# Allegro board GPS_INTERFACE_BOARDv34_test.brd (continued)
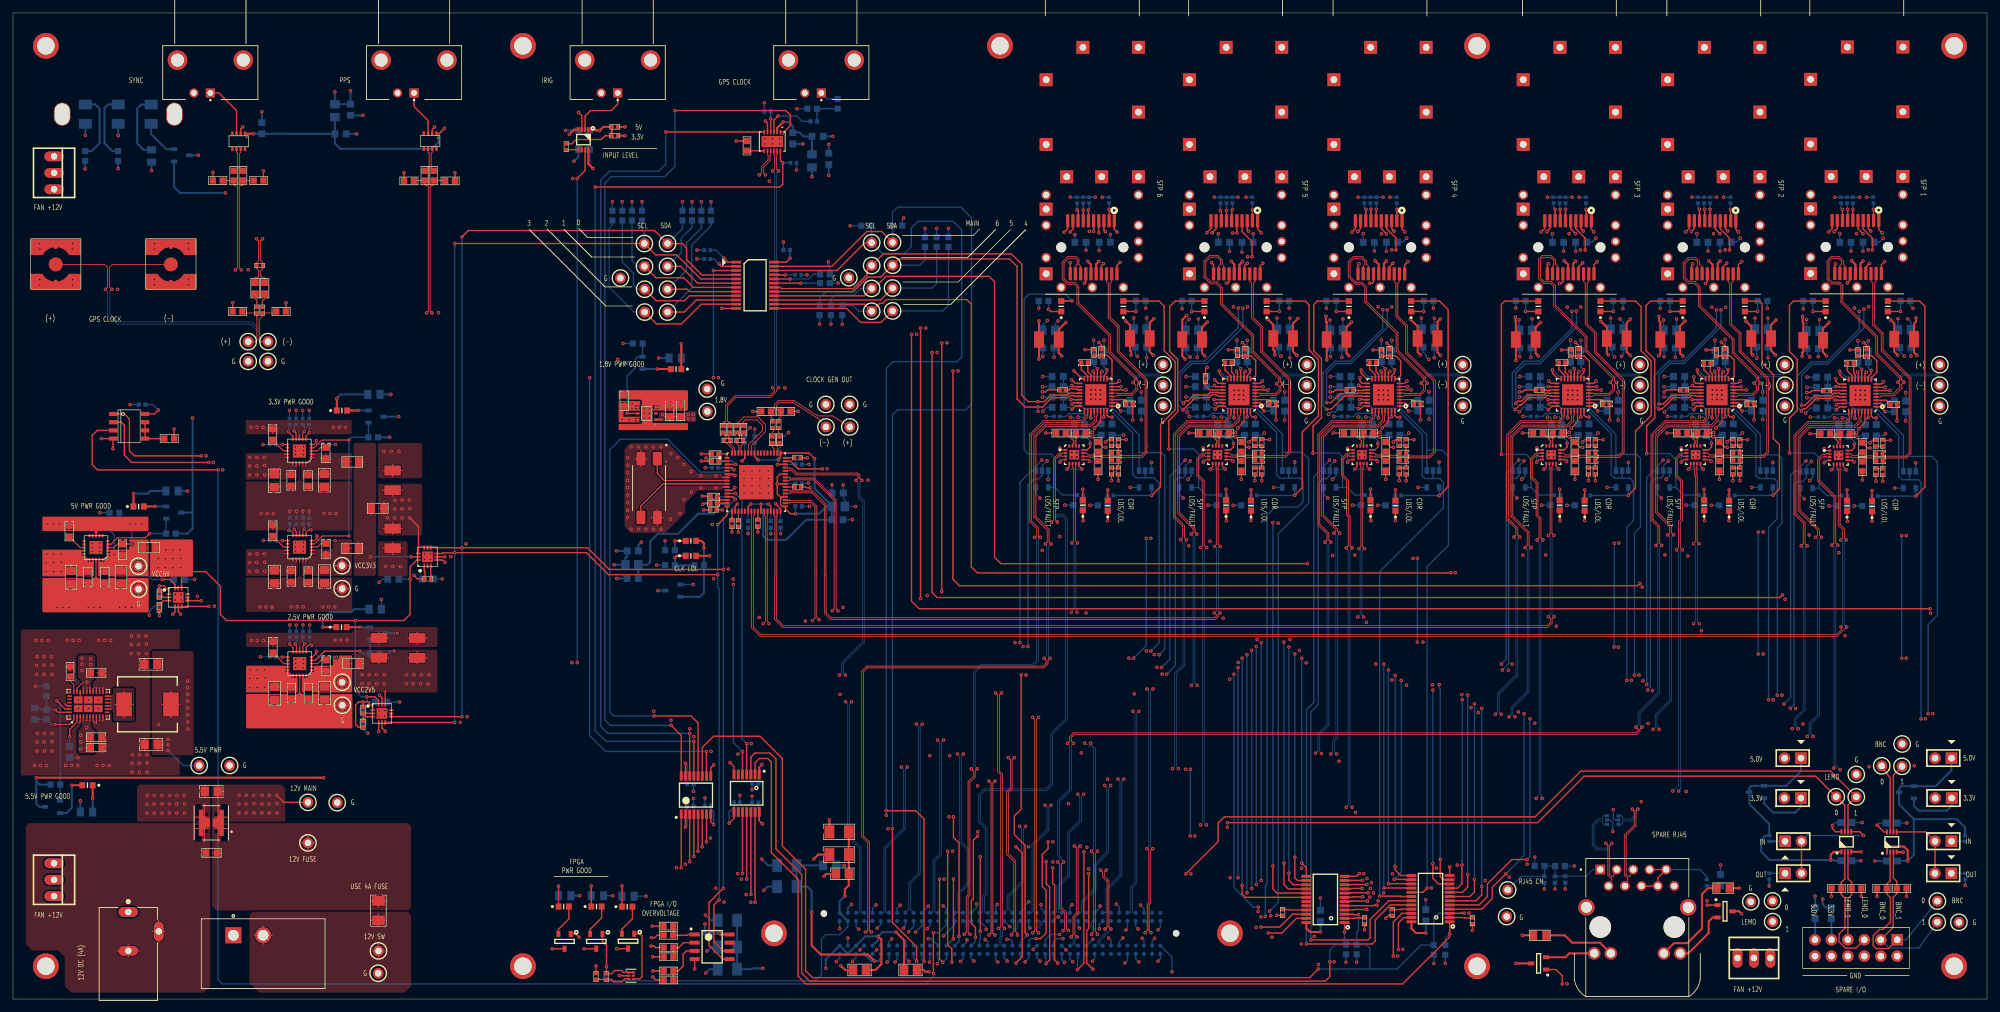
[diagram p0: board, top side]
## Routing (per net, layer and track width the routed paths; a pad name or vN(x,y) marks a point on that pad's centre or on a via; arc(x,y) is an arc through that point) (continued)
  GND3 w0.165: J19.S3 218.2,120.49 ; J19.S3 217.29,119.58 ; J19.S3 218.2,118.67 ; J19.S3 219.11,119.58 ; 255.49,118.67 J14.S9 ; J14.S9 254.58,119.58 ; J14.S9 255.49,120.49 ; J14.S9 256.39,119.58 ; 258.65,12.74 J17.S2 ; J17.S2 257.22,14.17 ; J17.S2 260.09,14.17 ; J17.S2 258.65,15.61 ; J20.S20 181.65,113.26 ; J20.S20 181.65,110.9 ; J20.S20 180.47,112.08 ; J20.S20 182.83,112.08 ; 235.18,127.08 J18.S16 ; J18.S16 237.54,127.08 ; J18.S16 236.36,125.9 ; J18.S16 236.36,128.26 ; J19.S4 218.2,125.19 ; J19.S4 217.29,124.28 ; J19.S4 218.2,123.37 ; J19.S4 219.11,124.28 ; 158.62,124.28 J21.S10 ; J21.S10 160.43,124.28 ; J21.S10 159.52,123.37 ; J21.S10 159.52,125.19 ; U54.1 187.91,12.56 ; U54.1 185.51,10.16 ; U54.1 187.91,7.76 ; U54.1 190.31,10.16 ; 276.38,122.13 J13.S19 ; J13.S19 277.56,120.95 ; J13.S19 278.74,122.13 ; J13.S19 277.56,123.31 ; 297.32,147.32 U57.1 ; U57.1 302.12,147.32 ; U57.1 299.72,144.92 ; U57.1 299.72,149.72 ; J6.2 28.82,140.03 ; J6.2 27.94,140.91 ; J6.2 27.94,139.15 ; J6.2 27.06,140.03 ; 195.9,135.9 J20.S12 ; J20.S12 197.08,137.08 ; J20.S12 194.72,137.08 ; J20.S12 195.9,138.26 ; U60.1 81.14,147.32 ; U60.1 78.74,144.92 ; U60.1 76.34,147.32 ; U60.1 78.74,149.72 ; J14.S4 270.64,124.28 ; J14.S4 268.83,124.28 ; J14.S4 269.74,125.19 ; J14.S4 269.74,123.37 ; 186.14,147.08 J20.S15 ; J20.S15 188.5,147.08 ; J20.S15 187.32,145.9 ; J20.S15 187.32,148.26 ; J21.S12 173.77,138.26 ; J21.S12 174.95,137.08 ; J21.S12 173.77,135.9 ; J21.S12 172.6,137.08 ; 203.95,130.9 J19.S18 ; J19.S18 203.95,133.26 ; J19.S18 202.77,132.08 ; J19.S18 205.13,132.08 ; U59.1 152.4,149.72 ; U59.1 152.4,144.92 ; U59.1 150,147.32 ; U59.1 154.8,147.32 ; J20.S10 181.65,125.19 ; J20.S10 180.74,124.28 ; J20.S10 182.56,124.28 ; J20.S10 181.65,123.37 ; 129.06,110.48 TP21.1 ; TP21.1 130.06,111.48 ; TP21.1 129.06,112.48 ; TP21.1 128.05,111.48 ; J18.S12 247.43,138.26 ; J18.S12 248.61,137.08 ; J18.S12 246.26,137.08 ; J18.S12 247.43,135.9 ; J18.S7 236.42,109.98 ; J18.S7 234.6,109.98 ; J18.S7 235.51,110.89 ; J18.S7 235.51,109.07 ; 240.58,127.08 J18.S14 ; J18.S14 241.76,125.9 ; J18.S14 241.76,128.26 ; J18.S14 242.94,127.08 ; 6.35,14.97 J28.3 ; J28.3 4.66,15.9 ; J28.3 8.04,15.9 ; J28.3 6.35,16.83 ; TP75.1 56.39,4.99 ; TP75.1 57.39,3.99 ; TP75.1 56.39,2.98 ; TP75.1 55.38,3.99 ; J21.S15 166.38,147.08 ; J21.S15 164.02,147.08 ; J21.S15 165.2,148.26 ; J21.S15 165.2,145.9 ; J21.S5 172.36,109.98 ; J21.S5 171.45,110.89 ; J21.S5 170.54,109.98 ; J21.S5 171.45,109.07 ; 208.45,147.08 J19.S15 ; J19.S15 209.62,145.9 ; J19.S15 210.8,147.08 ; J19.S15 209.62,148.26 ; J13.S3 292.72,119.63 ; J13.S3 291.81,120.54 ; J13.S3 290.9,119.63 ; J13.S3 291.81,118.72 ; J19.S2 219.11,114.58 ; J19.S2 218.2,115.49 ; J19.S2 217.29,114.58 ; J19.S2 218.2,113.67 ; 233.18,130.9 J18.S18 ; J18.S18 234.36,132.08 ; J18.S18 232.01,132.08 ; J18.S18 233.18,133.26 ; 129.18,90.89 TP6.1 ; TP6.1 130.19,91.9 ; TP6.1 129.18,92.9 ; TP6.1 128.18,91.9 ; J1.2 123.15,140.03 ; J1.2 122.28,139.15 ; J1.2 121.4,140.03 ; J1.2 122.28,140.91 ; J18.S17 234.36,142.08 ; J18.S17 233.18,140.9 ; J18.S17 233.18,143.26 ; J18.S17 232.01,142.08 ; J21.S7 161.85,110.89 ; J21.S7 160.94,109.98 ; J21.S7 161.85,109.07 ; J21.S7 162.76,109.98 ; 173.77,118.67 J21.S3 ; J21.S3 173.77,120.49 ; J21.S3 172.87,119.58 ; J21.S3 174.68,119.58 ; 106.18,94.28 TP89.1 ; TP89.1 107.19,93.28 ; TP89.1 108.19,94.28 ; TP89.1 107.19,95.29 ; 6.35,20.05 J28.1 ; J28.1 4.66,20.98 ; J28.1 6.35,21.91 ; J28.1 8.04,20.98 ; J13.S2 292.72,114.63 ; J13.S2 291.81,113.72 ; J13.S2 291.81,115.54 ; J13.S2 290.9,114.63 ; J18.S13 248.61,147.08 ; J18.S13 247.43,148.26 ; J18.S13 246.26,147.08 ; J18.S13 247.43,145.9 ; 49.85,45.42 TP20.1 ; TP20.1 50.85,46.42 ; TP20.1 51.85,45.42 ; TP20.1 50.85,44.41 ; 211.07,109.07 J19.S6 ; J19.S6 211.07,110.89 ; J19.S6 211.98,109.98 ; J19.S6 210.17,109.98 ; 172.92,117.08 J21.S1 ; J21.S1 173.77,116.22 ; J21.S1 173.77,117.94 ; J21.S1 174.63,117.08 ; 202.77,122.08 J19.S19 ; J19.S19 205.13,122.08 ; J19.S19 203.95,120.9 ; J19.S19 203.95,123.26 ; J1.S2 129.9,146.8 ; J1.S2 128.21,145.11 ; J1.S2 131.58,145.11 ; J1.S2 129.9,143.42 ; 67.01,143.42 J5.S2 ; J5.S2 65.32,145.11 ; J5.S2 68.69,145.11 ; J5.S2 67.01,146.8 ; J20.S8 182.56,114.58 ; J20.S8 181.65,113.67 ; J20.S8 181.65,115.49 ; J20.S8 180.74,114.58 ; 89.95,140.03 J4.2 ; J4.2 90.83,139.15 ; J4.2 91.71,140.03 ; J4.2 90.83,140.91 ; J14.S12 269.74,138.26 ; J14.S12 270.91,137.08 ; J14.S12 269.74,135.9 ; J14.S12 268.56,137.08 ; 159.52,110.9 J21.S20 ; J21.S20 159.52,113.26 ; J21.S20 158.35,112.08 ; J21.S20 160.7,112.08 ; 193.57,109.07 J20.S5 ; J20.S5 194.48,109.98 ; J20.S5 193.57,110.89 ; J20.S5 192.67,109.98 ; 277.56,110.95 J13.S20 ; J13.S20 276.38,112.13 ; J13.S20 278.74,112.13 ; J13.S20 277.56,113.31 ; 284.68,109.12 J13.S6 ; J13.S6 283.78,110.03 ; J13.S6 284.68,110.94 ; J13.S6 285.59,110.03 ; J19.S12 218.2,138.26 ; J19.S12 218.2,135.9 ; J19.S12 217.02,137.08 ; J19.S12 219.38,137.08 ; J6.S2 37.25,145.11 ; J6.S2 35.56,143.42 ; J6.S2 33.87,145.11 ; J6.S2 35.56,146.8 ; 257.81,109.07 J14.S7 ; J14.S7 256.9,109.98 ; J14.S7 258.72,109.98 ; J14.S7 257.81,110.89 ; U55.1 228.46,5.08 ; U55.1 226.06,2.68 ; U55.1 226.06,7.48 ; U55.1 223.66,5.08 ; TP23.1 93.8,112.43 ; TP23.1 94.81,111.43 ; TP23.1 92.8,111.43 ; TP23.1 93.8,110.43 ; 268.83,119.58 J14.S3 ; J14.S3 269.74,118.67 ; J14.S3 269.74,120.49 ; J14.S3 270.64,119.58 ; 271.35,4.66 J29.3 ; J29.3 270.42,6.35 ; J29.3 272.28,6.35 ; J29.3 271.35,8.04 ; 162.7,125.9 J21.S16 ; J21.S16 163.88,127.08 ; J21.S16 162.7,128.26 ; J21.S16 161.52,127.08 ; 50.06,29.35 TP13.1 ; TP13.1 51.07,30.35 ; TP13.1 50.06,31.36 ; TP13.1 49.06,30.35 ; J14.S1 270.59,117.08 ; J14.S1 269.74,117.94 ; J14.S1 268.88,117.08 ; J14.S1 269.74,116.22 ; J18.S2 247.43,115.49 ; J18.S2 248.34,114.58 ; J18.S2 246.53,114.58 ; J18.S2 247.43,113.67 ; J21.S9 159.52,120.49 ; J21.S9 160.43,119.58 ; J21.S9 159.52,118.67 ; J21.S9 158.62,119.58 ; J19.S5 216.78,109.98 ; J19.S5 215.87,109.07 ; J19.S5 214.97,109.98 ; J19.S5 215.87,110.89 ; 194.72,127.08 J20.S11 ; J20.S11 195.9,128.26 ; J20.S11 197.08,127.08 ; J20.S11 195.9,125.9 ; J18.S9 233.18,120.49 ; J18.S9 234.09,119.58 ; J18.S9 232.28,119.58 ; J18.S9 233.18,118.67 ; 291.81,125.95 J13.S11 ; J13.S11 292.99,127.13 ; J13.S11 291.81,128.31 ; J13.S11 290.63,127.13 ; 181.65,118.67 J20.S9 ; J20.S9 182.56,119.58 ; J20.S9 181.65,120.49 ; J20.S9 180.74,119.58 ; 290.95,117.13 J13.S1 ; J13.S1 292.67,117.13 ; J13.S1 291.81,116.27 ; J13.S1 291.81,117.99 ; 261.7,109.98 J14.S6 ; J14.S6 262.61,110.89 ; J14.S6 263.52,109.98 ; J14.S6 262.61,109.07 ; 205.95,127.08 J19.S16 ; J19.S16 208.3,127.08 ; J19.S16 207.12,128.26 ; J19.S16 207.12,125.9 ; 226.06,144.92 U58.1 ; U58.1 226.06,149.72 ; U58.1 223.66,147.32 ; U58.1 228.46,147.32 ; J14.S18 255.49,133.26 ; J14.S18 256.66,132.08 ; J14.S18 254.31,132.08 ; J14.S18 255.49,130.9 ; 195.9,123.37 J20.S4 ; J20.S4 194.99,124.28 ; J20.S4 195.9,125.19 ; J20.S4 196.81,124.28 ; 194.72,147.08 J20.S13 ; J20.S13 197.08,147.08 ; J20.S13 195.9,148.26 ; J20.S13 195.9,145.9 ; 233.18,123.37 J18.S10 ; J18.S10 233.18,125.19 ; J18.S10 232.28,124.28 ; J18.S10 234.09,124.28 ; U16.1 5.08,7.48 ; U16.1 5.08,2.68 ; U16.1 7.48,5.08 ; U16.1 2.68,5.08 ; 194.99,114.58 J20.S2 ; J20.S2 196.81,114.58 ; J20.S2 195.9,115.49 ; J20.S2 195.9,113.67 ; J21.S6 167.56,109.98 ; J21.S6 166.65,109.07 ; J21.S6 165.74,109.98 ; J21.S6 166.65,110.89 ; J14.S2 269.74,115.49 ; J14.S2 270.64,114.58 ; J14.S2 269.74,113.67 ; J14.S2 268.83,114.58 ; 261.16,145.9 J14.S15 ; J14.S15 262.34,147.08 ; J14.S15 259.98,147.08 ; J14.S15 261.16,148.26 ; 290.93,5.69 P1.2 ; P1.2 289.99,6.63 ; P1.2 291.87,6.63 ; P1.2 290.93,7.57 ; 232.28,114.58 J18.S8 ; J18.S8 233.18,113.67 ; J18.S8 234.09,114.58 ; J18.S8 233.18,115.49 ; J13.S4 292.72,124.33 ; J13.S4 290.9,124.33 ; J13.S4 291.81,123.42 ; J13.S4 291.81,125.24 ; 195.9,118.67 J20.S3 ; J20.S3 194.99,119.58 ; J20.S3 195.9,120.49 ; J20.S3 196.81,119.58 ; J20.S6 189.68,109.98 ; J20.S6 188.77,110.89 ; J20.S6 188.77,109.07 ; J20.S6 187.87,109.98 ; 247.43,125.9 J18.S11 ; J18.S11 246.26,127.08 ; J18.S11 248.61,127.08 ; J18.S11 247.43,128.26 ; 180.47,142.08 J20.S17 ; J20.S17 181.65,143.26 ; J20.S17 181.65,140.9 ; J20.S17 182.83,142.08 ; TP68.1 224.85,91.67 ; TP68.1 223.85,92.67 ; TP68.1 223.85,90.67 ; TP68.1 222.85,91.67 ; 255.49,110.9 J14.S20 ; J14.S20 255.49,113.26 ; J14.S20 256.66,112.08 ; J14.S20 254.31,112.08 ; J21.S8 159.52,115.49 ; J21.S8 158.62,114.58 ; J21.S8 160.43,114.58 ; J21.S8 159.52,113.67 ; 217.34,117.08 J19.S1 ; J19.S1 218.2,116.22 ; J19.S1 219.06,117.08 ; J19.S1 218.2,117.94 ; 242.94,12.74 J17.S1 ; J17.S1 242.94,15.61 ; J17.S1 244.38,14.17 ; J17.S1 241.51,14.17 ; J19.S17 203.95,143.26 ; J19.S17 202.77,142.08 ; J19.S17 205.13,142.08 ; J19.S17 203.95,140.9 ; J18.S1 248.29,117.08 ; J18.S1 247.43,117.94 ; J18.S1 246.58,117.08 ; J18.S1 247.43,116.22 ; J13.S15 283.23,148.31 ; J13.S15 282.05,147.13 ; J13.S15 283.23,145.95 ; J13.S15 284.41,147.13 ; 98.45,143.42 J4.S2 ; J4.S2 98.45,146.8 ; J4.S2 96.76,145.11 ; J4.S2 100.14,145.11 ; 279.55,127.13 J13.S16 ; J13.S16 280.73,128.31 ; J13.S16 280.73,125.95 ; J13.S16 281.91,127.13 ; TP18.1 50.83,64.43 ; TP18.1 49.82,63.42 ; TP18.1 50.83,62.42 ; TP18.1 51.83,63.42 ; J19.S8 203.95,115.49 ; J19.S8 204.86,114.58 ; J19.S8 203.04,114.58 ; J19.S8 203.95,113.67 ; J13.S8 278.47,114.63 ; J13.S8 276.65,114.63 ; J13.S8 277.56,115.54 ; J13.S8 277.56,113.72 ; J14.S10 256.39,124.28 ; J14.S10 254.58,124.28 ; J14.S10 255.49,123.37 ; J14.S10 255.49,125.19 ; J18.S3 248.34,119.58 ; J18.S3 246.53,119.58 ; J18.S3 247.43,118.67 ; J18.S3 247.43,120.49 ; 286.13,125.95 J13.S14 ; J13.S14 286.13,128.31 ; J13.S14 287.31,127.13 ; J13.S14 284.95,127.13 ; U61.1 5.08,149.72 ; U61.1 7.48,147.32 ; U61.1 5.08,144.92 ; U61.1 2.68,147.32 ; 32.45,36.09 TP12.1 ; TP12.1 33.45,37.1 ; TP12.1 33.45,35.09 ; TP12.1 34.46,36.09 ; J19.S14 212.52,128.26 ; J19.S14 211.35,127.08 ; J19.S14 212.52,125.9 ; J19.S14 213.7,127.08 ; J17.P10 256.51,18.4 ; J17.P10 255.59,17.47 ; J17.P10 256.51,16.55 ; J17.P10 257.44,17.47 ; J14.S19 256.66,122.08 ; J14.S19 255.49,123.26 ; J14.S19 255.49,120.9 ; J14.S19 254.31,122.08 ; 35.32,98.55 TP4.1 ; TP4.1 36.32,99.56 ; TP4.1 36.32,97.55 ; TP4.1 37.33,98.55 ; J20.S7 184.88,109.98 ; J20.S7 183.07,109.98 ; J20.S7 183.97,110.89 ; J20.S7 183.97,109.07 ; 203.04,119.58 J19.S9 ; J19.S9 203.95,120.49 ; J19.S9 204.86,119.58 ; J19.S9 203.95,118.67 ; J14.S8 255.49,115.49 ; J14.S8 256.39,114.58 ; J14.S8 255.49,113.67 ; J14.S8 254.58,114.58 ; P1.10 281.71,6.63 ; P1.10 280.77,7.57 ; P1.10 280.77,5.69 ; P1.10 279.83,6.63 ; J13.S13 291.81,148.31 ; J13.S13 290.63,147.13 ; J13.S13 292.99,147.13 ; J13.S13 291.81,145.95 ; J13.S17 278.74,142.13 ; J13.S17 276.38,142.13 ; J13.S17 277.56,143.31 ; J13.S17 277.56,140.95 ; 267.41,109.07 J14.S5 ; J14.S5 267.41,110.89 ; J14.S5 268.32,109.98 ; J14.S5 266.5,109.98 ; 158.35,122.08 J21.S19 ; J21.S19 159.52,120.9 ; J21.S19 159.52,123.26 ; J21.S19 160.7,122.08 ; 299.72,2.68 U56.1 ; U56.1 297.32,5.08 ; U56.1 299.72,7.48 ; U56.1 302.12,5.08 ; 300.46,10.86 TP81.1 ; TP81.1 299.45,11.86 ; TP81.1 300.46,12.87 ; TP81.1 301.46,11.86 ; 76.34,5.08 U20.1 ; U20.1 81.14,5.08 ; U20.1 78.74,7.48 ; U20.1 78.74,2.68 ; 268.56,127.08 J14.S11 ; J14.S11 270.91,127.08 ; J14.S11 269.74,128.26 ; J14.S11 269.74,125.9 ; 119.74,143.42 J1.S1 ; J1.S1 121.42,145.11 ; J1.S1 118.05,145.11 ; J1.S1 119.74,146.8 ; 56.85,143.42 J5.S1 ; J5.S1 55.16,145.11 ; J5.S1 56.85,146.8 ; J5.S1 58.53,145.11 ; 283.6,34.72 TP87.1 ; TP87.1 285.61,34.72 ; TP87.1 284.61,33.72 ; TP87.1 284.61,35.73 ; P1.8 284.25,6.63 ; P1.8 283.31,5.69 ; P1.8 283.31,7.57 ; P1.8 282.37,6.63 ; J14.S14 264.06,128.26 ; J14.S14 262.88,127.08 ; J14.S14 265.24,127.08 ; J14.S14 264.06,125.9 ; 183.64,127.08 J20.S16 ; J20.S16 186,127.08 ; J20.S16 184.82,125.9 ; J20.S16 184.82,128.26 ; 276.65,124.33 J13.S10 ; J13.S10 278.47,124.33 ; J13.S10 277.56,123.42 ; J13.S10 277.56,125.24 ; J19.S10 203.95,125.19 ; J19.S10 204.86,124.28 ; J19.S10 203.95,123.37 ; J19.S10 203.04,124.28 ; J18.S4 248.34,124.28 ; J18.S4 247.43,125.19 ; J18.S4 247.43,123.37 ; J18.S4 246.53,124.28 ; J21.S4 173.77,125.19 ; J21.S4 174.68,124.28 ; J21.S4 173.77,123.37 ; J21.S4 172.87,124.28 ; J4.S1 89.98,145.11 ; J4.S1 88.29,146.8 ; J4.S1 86.6,145.11 ; J4.S1 88.29,143.42 ; J21.S18 159.52,133.26 ; J21.S18 158.35,132.08 ; J21.S18 160.7,132.08 ; J21.S18 159.52,130.9 ; TP3.1 40.37,98.55 ; TP3.1 38.37,98.55 ; TP3.1 39.37,99.56 ; TP3.1 39.37,97.55 ; J13.S9 278.47,119.63 ; J13.S9 276.65,119.63 ; J13.S9 277.56,120.54 ; J13.S9 277.56,118.72 ; 245.11,109.07 J18.S5 ; J18.S5 246.02,109.98 ; J18.S5 244.2,109.98 ; J18.S5 245.11,110.89 ; 168.1,125.9 J21.S14 ; J21.S14 166.92,127.08 ; J21.S14 168.1,128.26 ; J21.S14 169.28,127.08 ; J19.S11 218.2,128.26 ; J19.S11 218.2,125.9 ; J19.S11 217.02,127.08 ; J19.S11 219.38,127.08 ; P1.12 279.17,6.63 ; P1.12 278.23,5.69 ; P1.12 278.23,7.57 ; P1.12 277.29,6.63 ; 218.2,145.9 J19.S13 ; J19.S13 217.02,147.08 ; J19.S13 218.2,148.26 ; J19.S13 219.38,147.08 ; 257.48,127.08 J14.S16 ; J14.S16 258.66,125.9 ; J14.S16 259.84,127.08 ; J14.S16 258.66,128.26 ; J21.S17 160.7,142.08 ; J21.S17 158.35,142.08 ; J21.S17 159.52,140.9 ; J21.S17 159.52,143.26 ; 268.56,147.08 J14.S13 ; J14.S13 269.74,148.26 ; J14.S13 269.74,145.9 ; J14.S13 270.91,147.08 ; TP62.1 297.48,92.67 ; TP62.1 297.48,90.67 ; TP62.1 296.48,91.67 ; TP62.1 298.49,91.67 ; 232.01,122.08 J18.S19 ; J18.S19 233.18,120.9 ; J18.S19 234.36,122.08 ; J18.S19 233.18,123.26 ; J13.S18 277.56,133.31 ; J13.S18 278.74,132.13 ; J13.S18 277.56,130.95 ; J13.S18 276.38,132.13 ; J20.S19 182.83,122.08 ; J20.S19 181.65,120.9 ; J20.S19 180.47,122.08 ; J20.S19 181.65,123.26 ; 254.31,142.08 J14.S17 ; J14.S17 256.66,142.08 ; J14.S17 255.49,140.9 ; J14.S17 255.49,143.26 ; TP70.1 200.8,91.67 ; TP70.1 198.79,91.67 ; TP70.1 199.8,90.67 ; TP70.1 199.8,92.67 ; 266.27,4.66 J29.1 ; J29.1 267.2,6.35 ; J29.1 265.34,6.35 ; J29.1 266.27,8.04 ; J18.S6 241.22,109.98 ; J18.S6 240.31,110.89 ; J18.S6 239.4,109.98 ; J18.S6 240.31,109.07 ; 172.87,114.58 J21.S2 ; J21.S2 173.77,115.49 ; J21.S2 173.77,113.67 ; J21.S2 174.68,114.58 ; 181.65,130.9 J20.S18 ; J20.S18 180.47,132.08 ; J20.S18 182.83,132.08 ; J20.S18 181.65,133.26 ; J13.S5 289.48,110.94 ; J13.S5 288.58,110.03 ; J13.S5 290.39,110.03 ; J13.S5 289.48,109.12 ; J5.2 60.26,140.03 ; J5.2 59.39,139.15 ; J5.2 59.39,140.91 ; J5.2 58.51,140.03 ; 173.77,145.9 J21.S13 ; J21.S13 172.6,147.08 ; J21.S13 174.95,147.08 ; J21.S13 173.77,148.26 ; 203.95,110.9 J19.S20 ; J19.S20 205.13,112.08 ; J19.S20 202.77,112.08 ; J19.S20 203.95,113.26 ; 238.86,145.9 J18.S15 ; J18.S15 238.86,148.26 ; J18.S15 237.68,147.08 ; J18.S15 240.04,147.08 ; 268.33,14.03 TP86.1 ; TP86.1 269.33,15.04 ; TP86.1 268.33,16.04 ; TP86.1 267.32,15.04 ; 291.81,135.95 J13.S12 ; J13.S12 292.99,137.13 ; J13.S12 291.81,138.31 ; J13.S12 290.63,137.13 ; 278.98,110.03 J13.S7 ; J13.S7 280.79,110.03 ; J13.S7 279.88,110.94 ; J13.S7 279.88,109.12 ; 190.22,125.9 J20.S14 ; J20.S14 191.4,127.08 ; J20.S14 189.04,127.08 ; J20.S14 190.22,128.26 ; P1.6 286.79,6.63 ; P1.6 285.85,5.69 ; P1.6 284.91,6.63 ; P1.6 285.85,7.57 ; J21.S11 173.77,128.26 ; J21.S11 173.77,125.9 ; J21.S11 172.6,127.08 ; J21.S11 174.95,127.08 ; 229.63,12.75 TP28.1 ; TP28.1 230.63,11.75 ; TP28.1 231.64,12.75 ; TP28.1 230.63,13.75 ; TP64.1 273.58,92.67 ; TP64.1 273.58,90.67 ; TP64.1 274.59,91.67 ; TP64.1 272.58,91.67 ; TP66.1 251.21,92.67 ; TP66.1 251.21,90.67 ; TP66.1 250.2,91.67 ; TP66.1 252.21,91.67 ; 124.5,91.9 TP7.1 ; TP7.1 126.5,91.9 ; TP7.1 125.5,92.9 ; TP7.1 125.5,90.89 ; P1.4 289.33,6.63 ; P1.4 288.39,7.57 ; P1.4 287.45,6.63 ; P1.4 288.39,5.69 ; J19.S7 207.18,109.98 ; J19.S7 206.27,110.89 ; J19.S7 205.37,109.98 ; J19.S7 206.27,109.07 ; 176.57,91.67 TP72.1 ; TP72.1 177.57,92.67 ; TP72.1 178.57,91.67 ; TP72.1 177.57,90.67 ; TP80.1 291.69,40.42 ; TP80.1 292.7,39.42 ; TP80.1 291.69,38.42 ; TP80.1 290.69,39.42 ; U21.1 119.9,10.16 ; U21.1 117.5,12.56 ; U21.1 117.5,7.76 ; U21.1 115.1,10.16 ; J18.S20 234.36,112.08 ; J18.S20 232.01,112.08 ; J18.S20 233.18,110.9 ; J18.S20 233.18,113.26 ; 18.4,63.35 TP16.1 ; TP16.1 19.41,62.34 ; TP16.1 19.41,64.35 ; TP16.1 20.41,63.35 ; J6.S1 25.4,146.8 ; J6.S1 25.4,143.42 ; J6.S1 27.09,145.11 ; J6.S1 23.71,145.11 ; J27.3 8.04,125.15 ; J27.3 6.35,124.21 ; J27.3 4.66,125.15 ; J27.3 6.35,126.08 ; 6.35,129.29 J27.1 ; J27.1 8.04,130.23 ; J27.1 6.35,131.16 ; J27.1 4.66,130.23 ; J20.S1 195.9,117.94 ; J20.S1 195.9,116.22 ; J20.S1 196.76,117.08 ; J20.S1 195.04,117.08
  BOTTOM w0.165: v1(106.43,77.72) 106.9,77.72 107,77.62 C15.1 ; R117.2 v1(241.07,20.55) ; R64.2 v1(42.75,75.39) ; C27.1 v1(113.51,71.93) ; C22.2 v1(126.47,79.48) ; R113.2 v1(43.76,75.39) ; R259.2 v1(45.8,57.81) ; R115.2 v1(45.75,90.98) ; R118.2 v1(44.73,90.96) ; C29.2 129.09,74.07 129.11,74.09 v1(129.59,74.09) ; R263.2 v1(38.2,52.88) ; C23.1 119.14,86.96 v1(119.74,87.55) ; C127.2 v1(238.1,17.02) ; R261.2 v1(43.76,57.78) ; v1(113.85,88.31) 113.51,87.98 113.49,87.98 113,87.49 C20.1 ; C25.1 v1(117.02,71.93) ; C128.2 v1(239.67,17.02) ; R260.2 v1(44.78,57.81) ; C19.1 v1(118.52,71.93) ; R262.2 v1(42.75,57.81) ; C129.2 v1(236.45,17.02) ; R258.2 v1(49.94,52.83) ; R70.2 v1(49.76,70.84) ; C28.1 v1(114.53,88.06) ; C24.1 v1(122.99,76.15) ; R114.2 v1(49.78,85.72) ; R257.2 v1(38.61,85.7) ; C26.1 122.72,79.65 v1(122.82,79.75) ; C14.1 v1(106.5,76.45) ; v1(122.89,82.63) C18.1 ; R63.2 v1(45.75,75.41) ; R112.2 v1(44.75,75.41) ; R256.2 v1(42.7,90.98) ; R65.2 v1(38.66,70.87) ; R255.2 v1(43.71,90.98)
  BOTTOM w0.17: R240.2 v3(159.51,90.04) ; C263.2 v3(174.22,93.83) ; v3(188.75,86.89) 189,87.15 C237.1 ; C254.2 165.48,89.56 165.1,89.94 v3(164.47,89.94) ; C220.2 v3(218.64,93.85) ; C148.2 288.77,87.04 v3(289.1,87.38) ; C259.1 v3(174.22,89.53) ; C191.1 240.51,87.15 v3(240.26,86.89) ; C215.1 v3(218.64,89.61) ; v3(244.73,87.48) 244.4,87.15 C196.2 ; v3(284.63,86.79) 284.88,87.04 C142.1 ; v3(193.22,87.48) 192.89,87.15 C240.2
  BOTTOM w0.203: U33.3 v1(249.42,82.92) ; v1(164.67,10.95) 164.47,11.15 J8.G11 ; J8.G20 v1(153.91,11.19) ; v3(203.12,90.37) 203.49,90.74 204.19,90.74 204.87,91.43 C216.2 ; J8.G23 150.27,11.02 v1(150.27,10.74) ; C188.1 v3(242.09,101.8) ; R201.2 v1(219.32,106.8) ; v1(157.02,10.97) 156.84,11.15 J8.G17 ; R243.2 v1(174.89,106.77) ; U25.3 v1(293.79,82.87) ; J8.C13 161.93,6.1 v1(162.36,5.66) ; J8.H36 132.72,14.02 v1(133.25,14.55) ; C205.1 214.58,116.97 v3(215.19,117.58) ; C239.2 181.51,91.44 181.28,91.21 v3(181.28,90.7) ; R237.2 v1(158.38,106.74) ; C250.1 v1(163.96,118.13) ; C160.1 v1(270.98,105.23) ; v3(238.1,89.94) 238.74,89.94 239.12,89.56 C185.2 ; v1(158.75,14.61) 158.75,13.97 159.38,13.34 ; C84.1 v1(59.69,45.9) ; v1(148.79,14.68) 148.79,14.17 J8.H24 ; C143.1 v3(292.23,89.38) ; C226.1 181.04,104.51 v1(181.58,105.05) ; v1(174.09,14.53) 174.62,14 J8.H3 ; R80.2 v1(97.74,15.9) ; C139.2 283.49,89.46 283.11,89.84 v3(282.47,89.84) ; v1(148.36,5.87) 147.96,6.27 J8.C24 ; v1(138.33,5.84) 137.79,6.38 J8.C32 ; v1(156.26,5.74) 156.84,6.32 J8.C17 ; R174.2 v1(232.04,106.79) ; v1(176.28,9.37) 175.9,8.99 J8.D2 ; C58.1 v1(28.04,64.85) ; C132.2 291.31,100.08 v3(292.02,99.36) ; v3(276.78,90.55) 277.57,91.34 C150.2 ; v1(156.82,15.04) 156.29,14.5 156.29,14.05 J8.H18 ; R62.2 v1(56.88,61.76) ; C156.2 v3(269.24,99.06) ; C165.1 262.81,87.15 v3(262.56,86.89) ; R20.1 v1(106.88,82.12) ; C135.1 v3(282.07,118.29) ; v1(158.6,5.87) 158.12,6.35 J8.C16 ; J8.C9 167,6.17 v1(166.67,5.84) ; C168.1 v3(254.91,93.04) ; R36.2 v1(3.47,48.32) ; v1(133.45,10.97) 133.99,11.51 J8.G35 ; v3(218.59,98.86) 218.23,99.22 218.23,99.49 217.73,99.99 C201.2 ; C242.2 v3(188.98,101.83) ; C265.2 159.64,91.44 v3(159.03,90.83) ; C252.1 v1(175.04,105.28) ; C166.1 v3(264.39,101.93) ; C178.2 v3(234.37,99.19) ; C159.1 266.09,116.97 v3(266.7,117.58) ; J8.D13 v1(162.59,7.59) ; v1(54.79,41.07) 54.05,41.81 C86.2 ; C195.2 233.25,91.44 v3(232.59,90.78) ; v3(254.99,90.7) 255.73,91.44 C171.2 ; R22.1 107.45,83.16 v1(107.01,83.6) ; C211.1 211.3,87.15 v3(211.05,86.89) ; C202.2 v3(205.16,99.19) ; R223.2 v3(188.42,76.3) ; C236.1 v3(196.34,89.48) ; R47.2 v1(13.41,75.16) ; C145.1 v3(286.46,101.7) ; C169.1 v3(254.94,96.22) ; U29.3 v1(271.72,82.94) ; U40.3 181.98,80.86 v3(181.46,80.34) ; C248.2 173.3,99.62 v3(173.61,99.31) ; J8.G32 137.79,11.28 v1(137.49,10.97) ; R34.2 v1(100.7,70.83) ; J8.D16 v1(157.53,7.67) ; v1(293.37,106.76) 292.95,107.17 R138.2 ; C266.2 v3(166.85,101.83) ; v3(247.29,99.26) 246.94,99.62 C179.2 ; C3.2 v1(116.01,138.51) ; 177.16,6.99 177.16,6.25 v1(176.78,5.87) ; v1(163.63,5.77) 163.19,6.2 J8.C12 ; C170.2 v3(262.79,101.83) ; C59.2 21.84,60.7 21.06,59.92 v1(21.06,59.31) ; v3(232.97,80.34) 233.49,80.86 U32.3 ; C133.2 v1(278.74,99.29) ; C174.2 v3(254.91,94.64) ; C253.2 163.88,89.71 163.68,89.92 v3(163.27,89.92) ; C138.2 281.89,89.61 281.66,89.84 v3(281.25,89.84) ; J8.D37 v1(130.78,7.59) ; C151.2 v3(292.23,93.73) ; v3(288.77,117.58) 288.16,116.97 C136.1 ; C272.1 v1(18.08,91.87) ; C146.1 v3(276.99,92.94) ; v3(195.78,99.34) 195.43,99.7 C225.2 ; C204.1 v3(208.48,118.29) ; C119.2 v1(285.52,27.28) ; C262.2 v3(158.98,94.64) ; C149.2 v3(284.86,101.73) ; C241.2 v3(196.34,93.83) ; C112.2 v1(105.07,32.1) ; v1(171.68,5.59) 172.09,5.99 J8.C5 ; R132.2 v1(276.41,106.64) ; R133.2 v3(280.42,76.23) ; R135.2 v3(277.52,89.94) ; v1(143.62,14.41) 144.15,13.88 J8.H27 ; v3(260.4,89.94) 261.04,89.94 261.42,89.56 C162.2 ; C155.2 v3(256.67,99.19) ; R216.2 v1(180.5,106.69) ; J8.C25 146.69,6.2 v1(146.3,5.82) ; C167.1 v3(270.16,89.56) ; C251.1 v1(169.44,118.16) ; v1(176.81,10.72) 177.16,11.07 177.16,12.06 ; J8.D34 135.25,8.86 v1(135.69,9.3) ; C173.2 266.7,87.15 v3(267.03,87.48) ; C113.2 v1(118.96,117.01) ; v1(141.35,9.32) 141.81,9.32 J8.D28 ; C158.1 v3(259.99,118.29) ; J8.H9 167.87,14.2 v1(167.87,14.38) ; C231.2 187.6,89.56 187.23,89.94 v3(186.59,89.94) ; v1(170.36,14.66) 170.81,14.2 J8.H6 ; v1(151.99,14.63) 151.76,14.4 151.76,13.34 ; v3(166.62,86.89) 166.88,87.15 C258.1 ; R219.2 v3(181.64,90.04) ; C213.1 v3(203.43,96.22) ; v3(215.52,87.48) 215.19,87.15 C217.2 ; 151.76,6.99 151.76,5.99 v1(152.04,5.71) ; v1(173.74,10.85) 173.35,11.23 J8.G4 ; 141.6,6.99 141.6,6.31 141.5,6.21 v1(141.5,5.71) ; J8.C38 130.18,6.4 v1(129.62,5.84) ; J8.C33 136.53,6.07 v1(136.19,5.74) ; R110.2 v1(301.42,17.55) ; C115.2 v1(292.4,27.2) ; C181.1 v3(237.69,118.29) ; C238.1 v3(181.1,93.04) ; R196.2 v3(206.83,76.33) ; v1(174.35,9.4) 174.62,9.12 J8.D3 ; R33.2 v1(99.39,67.06) ; C219.2 v3(203.4,94.64) ; U37.3 v1(220.21,82.98) ; R156.2 v3(255.45,90.04) ; J8.H30 v1(141.35,14.35) ; C194.2 v3(232.61,94.64) ; C192.1 v3(247.85,89.48) ; J8.D19 154.31,8.92 154,9.22 v1(153.49,9.22) ; C189.1 v3(232.64,96.22) ; R95.2 v1(122.61,111.91) ; C190.1 v3(232.61,93.04) ; v1(175.78,82.93) U45.3 ; J8.C40 127.64,6.3 v1(127.13,5.79) ; R139.2 v3(284.3,76.2) ; C249.1 158.92,104.08 v1(159.72,104.88) ; U44.3 159.85,80.81 159.84,80.8 v3(159.84,80.29) ; U24.3 277.86,80.58 v3(277.42,80.14) ; C235.1 v3(190.58,101.8) ; v3(203.76,80.34) 204.28,80.86 U36.3 ; U5.2 246.66,27.66 247.01,27.3 v1(247.01,25.91) ; v3(259.23,89.92) 259.61,89.92 259.82,89.71 C161.2 ; J8.G40 v1(127.64,10.87) ; J8.D22 150.5,8.81 v1(150.11,9.19) ; C227.1 v1(186.1,118.29) ; J8.C36 v1(133.35,7.62) ; U41.3 v1(197.9,82.98) ; v1(163.5,14.58) 163.19,14.27 J8.H12 ; v1(143.69,9.78) 145.41,11.51 J8.G26 ; C214.1 v3(212.88,101.8) ; C157.1 v1(254.85,104.95) ; R195.2 v1(202.81,106.77) ; C243.2 v3(181.1,94.64) ; C271.1 v1(201.88,15.62) ; v1(134.98,5.71) 135.25,5.99 J8.C34 ; v1(167.74,10.85) 167.74,11.53 J8.G8 ; v1(56.54,64.39) 57.05,64.9 C69.1 ; v1(173.84,5.74) 173.35,6.22 J8.C4 ; v1(141.17,10.87) 141.6,11.3 141.6,12.06 ; J8.C20 153.03,6.35 v1(153.52,5.87) ; J8.H33 136.53,14.02 v1(137.01,14.5) ; R238.2 v3(162.41,76.33) ; C230.2 186,89.71 185.72,89.99 v3(185.37,89.99) ; R175.2 v3(236.04,76.33) ; R180.2 v1(248.58,106.72) ; U28.3 255.79,80.86 v3(255.27,80.34) ; C182.1 243.79,116.97 v3(244.4,117.58) ; v1(161.42,12.7) 161.29,12.7 J8.G14 ; C144.1 v3(277.01,96.11) ; C207.2 208.31,89.71 208.08,89.94 v3(207.72,89.94) ; C247.2 v3(160.73,99.19) ; J8.D10 v1(166.73,9.25) ; R159.2 v1(270.88,106.74) ; C147.2 v3(276.99,94.54) ; v1(171.37,9.42) 170.81,8.86 J8.D6 ; R153.2 v1(254.34,106.74) ; R4.2 v1(121.03,137.59) ; v1(142.72,5.46) 142.88,5.61 J8.C28 ; v1(276.93,105.01) C134.1 ; R202.2 v3(210.72,76.3) ; C172.2 v3(270.16,93.8) ; C180.1 v1(232.55,104.98) ; C17.2 v1(10.03,37.31) ; C224.2 v3(182.86,99.19) ; C208.2 209.91,89.56 209.53,89.94 v3(208.89,89.94) ; v3(236.93,89.92) 237.31,89.92 237.52,89.71 C184.2 ; J8.D25 147.29,8.86 v1(147.29,9.14) ; C234.1 v3(181.13,96.22) ; 169.54,8.26 169.54,9.04 v1(169.16,9.42) ; J8.D39 v1(128.91,9.42) ; R94.2 v1(105.61,114.38) ; C110.1 v1(105.07,31) ; C261.1 v3(168.45,101.8) ; C206.1 v1(219.47,105.21) ; v1(171.83,10.67) 172.09,10.92 J8.G5 ; R74.2 v1(92.61,15.98) ; C137.1 293.05,104.64 v1(292.56,105.13) ; C74.2 v1(66.29,64.92) ; R198.2 v3(203.94,90.04) ; C260.1 v3(158.98,93.04) ; v1(129.46,14.63) 128.91,14.07 J8.H39 ; C193.2 v3(240.49,101.83) ; C212.1 v3(203.4,93.04) ; R181.2 v3(239.93,76.3) ; C270.1 v1(218.14,15.37) ; v1(248.11,105.11) 248.68,104.54 C183.1 ; C228.1 v1(191.49,118.26) ; R244.2 v3(166.29,76.3) ; C109.1 v1(114.11,32.36) ; C257.1 v3(159,96.22) ; C197.2 v3(247.85,93.8) ; J8.G38 130.18,11.2 v1(130.58,10.79) ; R177.2 v3(233.15,90.04) ; R1.2 v1(120.97,128.12) ; R154.2 v3(258.34,76.33) ; R160.2 v3(262.23,76.3) ; C218.2 v3(211.28,101.83) ; R93.2 v1(105.61,115.75) ; C123.1 v1(263.65,20.73) ; C203.1 v1(203.34,104.93) ; C264.2 v3(171.48,87.15) ; C229.1 v1(197.16,105.23) ; R217.2 v3(184.53,76.33) ; R222.2 v1(197.04,106.77) ; C111.2 v1(114.11,31.34)
  BOTTOM w0.305: C97.2 v1(128.4,20.65) ; C114.2 v1(285.32,21.39) ; R69.2 v1(16.23,128.35) ; C103.2 107.57,4.62 v1(106.96,4.01) ; R37.2 v1(99.69,99.06) ; R106.2 v1(271.17,17.45) ; C116.2 v1(278.26,15.9) ; C99.2 116.59,20.65 v1(115.62,21.62) ; v1(107.16,7.43) 107.78,8.05 C104.2 ; C9.2 v1(126.57,133.32) ; C117.2 279.95,14.12 279.43,14.65 v1(279.43,15.44) ; v1(86.64,129.49) 87.3,130.15 C6.2 ; C16.2 v1(93.22,65) ; R57.2 v1(58.34,93.45) ; C12.1 v1(53.06,133.71) ; C45.2 v1(287.48,21.34) ; R66.2 v1(87.5,15.98) ; v1(97.03,70.61) 96.57,70.16 C13.2 ; C7.2 v1(125.96,132.11) ; R67.2 v1(21.39,128.04) ; C102.2 107.72,12.19 v1(106.91,13) ; C11.1 v1(38.43,137.13) ; C5.2 v1(85.32,134.24) ; v1(115.93,16.79) 116.51,17.37 C98.2 ; C8.2 v1(121.97,132.15) ; C108.2 v1(106.84,11.62) ; R44.2 v1(10.4,30.65) ; R68.2 v1(11.15,128.3) ; R51.2 v1(26.95,78.51) ; C10.1 v1(54.05,136.57)
  vias: v1(3.32,36.09) v1(3.55,55.42) v1(3.71,52.91) v1(3.66,51.56) v1(3.66,50.19) v1(3.71,39.7) v1(3.71,38.33) v1(3.76,41.05) v1(4.14,116.76) v1(4.14,115.9) v1(4.14,111.2) v1(4.14,110.34) v1(4.24,36.09) v1(4.47,55.42) v1(4.8,52.91) v1(4.78,51.59) v1(4.8,50.19) v1(4.83,39.73) v1(4.85,41.05) v1(4.85,38.33) v1(5.18,36.07) v1(5.33,73.43) v1(5.41,55.4) v1(5.94,52.91) v1(5.99,51.64) v1(5.99,50.19) v1(5.99,41.05) v1(6.05,39.78) v1(6.05,38.33) v1(6.25,73.43) v1(6.78,60.52) v1(7.19,73.41) v1(7.69,60.53) v1(8.15,36.11) v1(8.38,55.44) v1(8.63,60.5) v1(9.07,36.12) v1(9.17,116.79) v1(9.17,115.93) v1(9.19,111.18) v1(9.19,110.31) v1(9.29,55.45) v1(10.01,36.1) v1(10.09,44.91) v1(10.23,55.42) v1(11.61,60.55) v1(11.63,46.23) v1(11.63,44.91) v1(12.22,70.43) v1(12.22,69.77) v1(12.22,69.14) v1(12.52,60.55) v1(13,36.11) v1(13.23,55.44) v1(13.18,46.23) v1(13.18,44.91) v1(13.41,70.46) v1(13.41,69.8) v1(13.39,69.14) v1(13.46,60.53) v1(13.92,36.12) v1(14.15,55.45) v1(14.86,36.1) v1(15.09,55.42) v1(16.15,109.68) v1(16.46,60.55) v1(17.37,60.55) v1(18.06,73.43) v1(18.31,60.53) v1(18.31,56.11) v1(18.26,54.76) v1(18.26,53.39) v1(18.44,37.77) v1(18.39,36.42) v1(18.39,35.05) v1(18.97,73.43) v1(19.41,56.11) v1(19.38,54.79) v1(19.41,53.39) v1(19.53,37.77) v1(19.51,36.45) v1(19.53,35.05) v1(19.91,73.41) v1(20.55,56.11) v1(20.6,54.84) v1(20.6,53.39) v1(20.68,37.77) v1(20.73,36.5) v1(20.73,35.05) v1(20.73,31.45) v1(20.68,30.1) v1(20.68,28.73) v1(21.84,116.76) v1(21.84,115.9) v1(21.84,111.25) v1(21.84,110.39) v1(21.82,31.45) v1(21.79,30.12) v1(21.82,28.73) v1(22.96,31.45) v1(23.01,30.18) v1(23.01,28.73) v1(24.21,31.47) v1(24.16,30.12) v1(24.16,28.75) v1(25.1,62.51) v1(25.07,61.67) v1(25.3,31.47) v1(25.27,30.15) v1(25.3,28.75) v1(25.98,62.51) v1(25.96,61.67) v1(26.44,31.47) v1(26.49,30.2) v1(26.49,28.75) v1(27.1,116.76) v1(27.1,115.9) v1(27.1,111.25) v1(27.1,110.39) v1(28.47,62.23) v1(29.79,83.95) v1(30.94,82.93) v1(31.09,60.71) v1(32.38,81.79) v1(36.3,112.73) v1(36.75,88.36) v1(36.83,55.42) v1(37.67,88.37) v1(37.74,55.42) v1(38.15,60.6) v1(38.35,75.03) v1(38.61,88.34) v1(38.68,55.4) v1(39.06,60.6) v1(39.27,75.03) v1(40,60.58) v1(40.21,75.01) v1(42.97,60.62) v1(43.59,85.32) v1(43.59,84.73) v1(43.61,84.12) v1(43.64,70.51) v1(43.64,69.85) v1(43.64,69.22) v1(43.66,52.5) v1(43.66,51.84) v1(43.66,51.21) v1(43.89,60.63) v1(44.83,85.34) v1(44.81,84.73) v1(44.83,84.1) v1(44.83,70.54) v1(44.83,69.88) v1(44.81,69.22) v1(44.83,60.61) v1(44.83,51.21) v1(44.86,52.53) v1(44.86,51.87) v1(47.83,60.62) v1(48.03,75.05) v1(48.74,60.63) v1(48.94,75.06) v1(49.48,88.36) v1(49.68,60.61) v1(49.71,55.49) v1(49.88,75.03) v1(50.39,88.37) v1(50.62,55.5) v1(51.33,88.34) v1(51.56,55.48) v1(56.54,44.58) v1(56.52,43.74) v1(57.28,84.63) v1(57.43,44.58) v1(57.4,43.74) v1(57.51,66.85) v1(58.42,84.63) v1(58.65,66.85) v1(59.61,84.63) v1(59.84,66.85) v1(63.58,68.78) v1(63.55,67.94) v1(64.44,67.94) v1(64.47,68.78) v1(65.71,106.07) v1(67.61,68.35) v1(69.06,42.75) v1(69.93,70.36) v1(70.13,43.64) v1(86.31,51.99) v1(86.44,126.82) v1(97.43,89.81) v1(97.46,91.19) v1(97.46,90.53) v1(98.3,91.19) v1(98.27,90.5) v1(98.27,89.81) v1(98.93,44.48) v1(101.6,43.08) v1(102.44,20.29) v1(103.84,20.83) v1(104.5,41.76) v1(105.11,40.56) v1(107.7,24.89) v1(107.8,38.28) v1(107.98,73.33) v1(108.18,64.97) v1(108.51,17.12) v1(108.92,96.04) v1(109.78,14.99) v1(110.46,66.45) v1(111.23,64.9) v1(111.94,37.85) v1(111.89,19.41) v1(112.47,18.54) v1(112.85,81.58) v1(112.88,80.44) v1(112.85,79.3) v1(112.88,78.16) v1(113.21,16.15) v1(113.92,14.96) v1(114,39.5) v1(114.1,81.61) v1(114.12,80.47) v1(114.1,79.32) v1(114.12,78.18) v1(115.21,58.98) v1(115.32,81.61) v1(115.34,80.47) v1(115.32,79.32) v1(115.34,78.18) v1(116.1,132.99) v1(116.1,132.16) v1(116.64,81.61) v1(116.64,79.32) v1(116.66,80.47) v1(116.66,78.18) v1(116.79,126.39) v1(117.25,132.16) v1(117.27,132.99) v1(118.41,132.99) v1(118.39,132.16) v1(119.18,94.46) v1(122.35,58.42) v1(125.7,81.97) v1(127.69,47.09) v1(128.17,60.53) v1(132.03,80.19) v1(134.85,28.42) v1(135.1,26.34) v1(139.52,102.72) v1(140.94,103.71) v1(141.17,62.36) v1(141.55,37.62) v1(142.7,99.92) v1(143.79,18.54) v1(144.22,101.42) v1(144.53,28.17) v1(144.63,37.62) v1(145.08,22.86) v1(145.92,97.08) v1(148.95,32.94) v1(148.95,25.86) v1(154.71,55.09) v1(155.98,54.48) v1(156.41,50.09) v1(156.82,23.55) v1(158.27,90.81) v1(158.93,69.34) v1(160.55,24.31) v1(160.58,21.21) v1(161.62,71.48) v1(162.99,30.2) v1(164.95,38.05) v1(165.68,59.69) v1(165.81,23.44) v1(166.09,20.12) v1(166.19,118.64) v1(169.01,33.99) v1(172.29,52.68) v1(173.13,47.17) v1(175.01,53.82) v1(175.69,71.2) v1(176.2,53.24) v1(176.63,51.26) v1(177.42,50.22) v1(181.05,35.51) v1(181.53,70.05) v1(181.86,19.35) v1(182.47,25.2) v1(184.81,70.74) v1(186.87,58.85) v1(187.5,26.54) v1(187.86,49.43) v1(187.93,18.75) v1(188.32,118.39) v1(188.44,106.98) v1(189.18,52.02) v1(190.63,114.71) v1(190.6,106.98) v1(191.95,11.07) v1(192.1,55.58) v1(192.25,13.54) v1(192.71,12.7) v1(194.21,12.85) v1(194.39,9.58) v1(195.35,73.56) v1(197.18,55.58) v1(198.63,53.87) v1(198.93,8.51) v1(198.96,20.22) v1(199.67,51.97) v1(200.91,9.68) v1(201.57,5.36) v1(203.76,68.55) v1(203.99,5.77) v1(204.75,36.75) v1(207.19,68.61) v1(207.29,28.83) v1(208.56,19.38) v1(208.97,58.22) v1(209.07,18.62) v1(209.5,15.75) v1(209.58,17.12) v1(209.75,18.01) v1(210.06,16.41) v1(210.41,51.77) v1(210.79,106.98) v1(210.79,15.19) v1(211.3,118.26) v1(211.63,16.41) v1(212.88,115.77) v1(212.88,106.96) v1(212.9,49.3) v1(213,19.35) v1(213.79,6.65) v1(214.58,7.67) v1(215.16,48.51) v1(216.15,68.1) v1(217.7,55.17) v1(219,17.17) v1(219.18,48.56) v1(219.76,20.24) v1(222.68,65.89) v1(223.01,20.7) v1(223.7,47.04) v1(224.82,13.28) v1(225.12,45.03) v1(226.24,44.27) v1(227.33,18.31) v1(230.89,50.83) v1(231.04,18.85) v1(231.47,51.77) v1(232.44,44.37) v1(233.12,68.61) v1(233.78,20.83) v1(234.98,42.62) v1(236.65,68.63) v1(238.3,57.63) v1(239.98,106.93) v1(239.95,2.36) v1(240.26,118.29) v1(242.01,115.77) v1(242.06,106.96) v1(247.93,70.48) v1(247.88,54.38) v1(249.89,49.28) v1(251.05,50.06) v1(251.41,30.51) v1(251.56,63.68) v1(251.66,49.17) v1(252.48,42.6) v1(253.14,47.68) v1(255.07,68.66) v1(258.34,32.08) v1(258.57,68.5) v1(260.71,56.92) v1(261.57,15.19) v1(262.31,106.93) v1(262.59,118.29) v1(264.36,115.77) v1(264.44,106.91) v1(270.23,72.19) v1(270.23,53.34) v1(271.78,46.25) v1(273.13,46.96) v1(273.61,61.77) v1(275.23,44.91) v1(276.38,42.49) v1(277.34,71.73) v1(281.91,68.99) v1(282.88,56.16) v1(284.33,106.78) v1(284.66,118.29) v1(286.46,115.77) v1(286.51,107.01) v1(286.59,35.92) v1(292.33,71.63) v1(292.33,52.68) v1(293.57,36.07) v1(295.3,43.33) v1(296.09,59.61) v1(296.42,44.12) v3(163.5,84.48) v3(163.5,83.77) v3(164.21,84.48) v3(164.24,84.45) v3(164.24,83.77) v3(164.24,83.74) v3(166.45,94.16) v3(166.45,93.45) v3(166.42,92.71) v3(167.16,94.16) v3(167.18,93.45) v3(167.16,92.71) v3(167.89,94.13) v3(167.92,93.42) v3(167.89,92.68) v3(185.62,84.48) v3(185.62,83.77) v3(186.33,84.48) v3(186.36,83.77) v3(188.54,94.08) v3(188.54,93.37) v3(188.52,92.63) v3(189.26,94.08) v3(189.28,93.37) v3(189.26,92.63) v3(189.99,94.06) v3(190.02,93.34) v3(189.99,92.61) v3(207.92,84.48) v3(207.92,83.77) v3(208.64,84.48) v3(208.66,83.77) v3(210.85,92.63) v3(210.87,94.08) v3(210.87,93.37) v3(211.58,94.08) v3(211.61,93.37) v3(211.58,92.63) v3(212.32,94.06) v3(212.34,93.34) v3(212.32,92.61) v3(237.13,84.48) v3(237.13,83.77) v3(237.85,84.48) v3(237.87,83.77) v3(240.11,94.08) v3(240.11,93.37) v3(240.08,92.63) v3(240.82,94.08) v3(240.84,93.37) v3(240.82,92.63) v3(241.55,94.06) v3(241.58,93.34) v3(241.55,92.61) v3(259.44,84.48) v3(259.44,83.77) v3(260.15,84.48) v3(260.17,83.77) v3(262.38,94.11) v3(262.38,93.4) v3(262.36,92.66) v3(263.09,94.11) v3(263.12,93.4) v3(263.09,92.66) v3(263.83,94.08) v3(263.83,92.63) v3(263.86,93.37) v3(281.56,84.48) v3(281.56,83.77) v3(282.27,84.48) v3(282.3,83.77) v3(284.51,94.08) v3(284.51,93.37) v3(284.48,92.63) v3(285.22,94.08) v3(285.24,93.37) v3(285.22,92.63) v3(285.95,94.06) v3(285.98,93.34) v3(285.95,92.61)
